# KiCad board color_carrier.kicad_pcb
title: Color Carrier; date: 2022-05-29; rev: 0.0; company: Palace Games
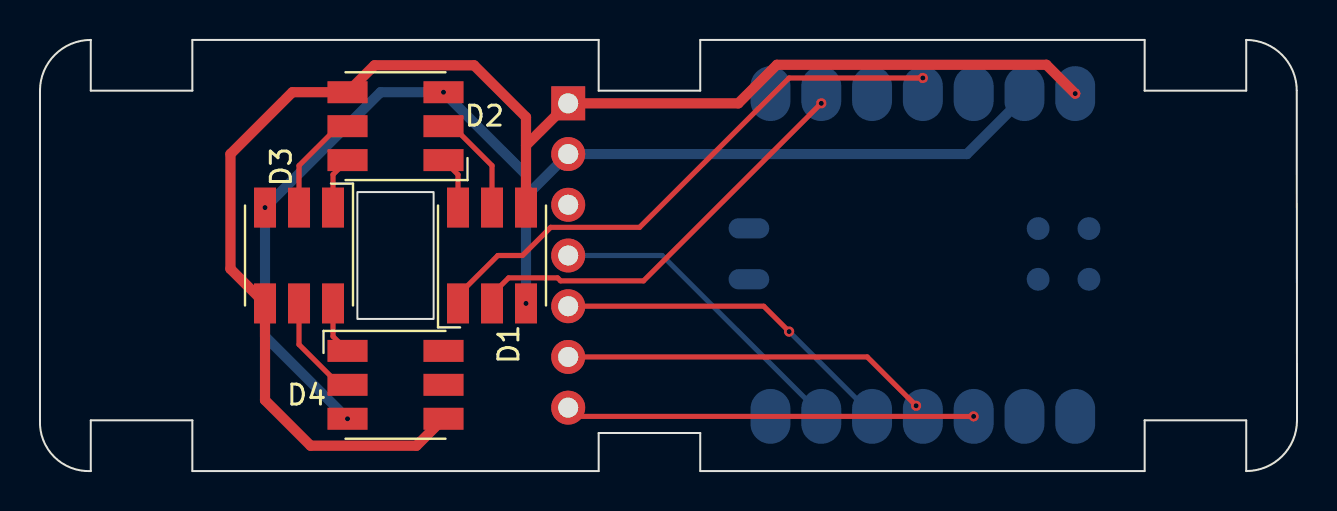
[diagram p0: board, top side]
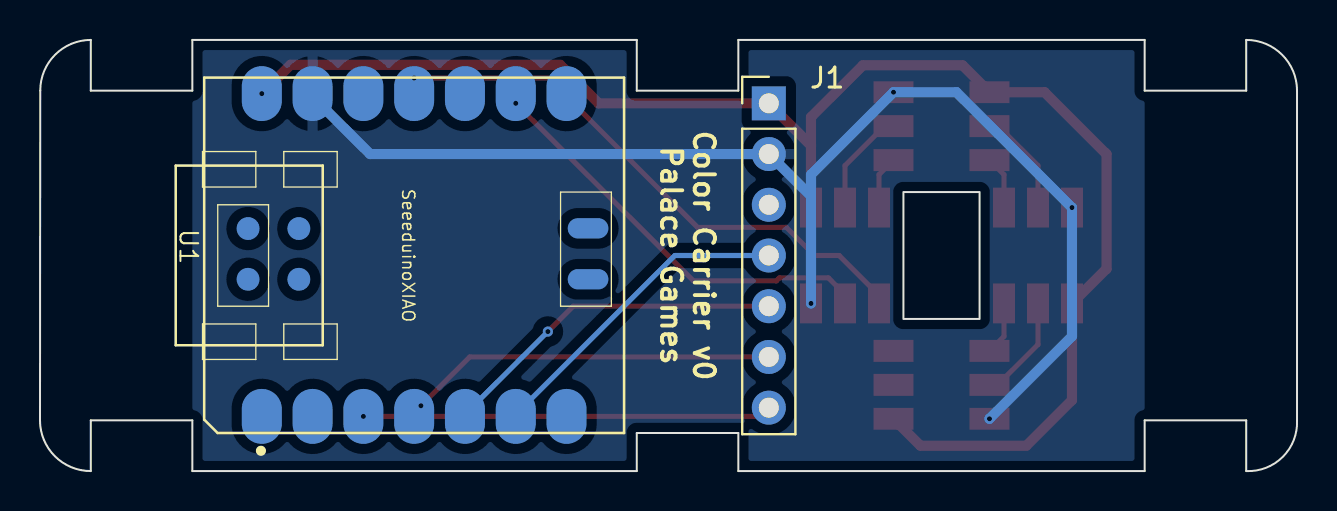
[diagram p1: board, bottom side, seen from below]

Outline 62.87 x 21.59 mm; copper layers: Top, Bottom. Coordinates in mm from the lower left corner of the outline.
Outline path: rectangle 15.87,13.97 19.68,7.62 ; 60.32,21.59 60.32,19.05 55.24,19.05 55.24,21.59 33.02,21.59 33.02,19.05 27.94,19.05 27.94,21.59 7.62,21.59 7.62,19.05 2.54,19.05 2.54,21.59 arc(0.74,20.85) 0,19.05 0,2.54 arc(0.71,0.71) 2.54,0 2.54,2.54 7.62,2.54 7.62,0 27.94,0 27.94,1.91 33.02,1.91 33.02,0 55.24,0 55.24,2.54 60.32,2.54 60.32,0 arc(62.12,0.74) 62.87,2.54 62.85,19.05 arc(62.11,20.84) 60.32,21.59
Stack: Top 0.035mm / dielectric 1.51mm FR4 er 4.5 / Bottom 0.035mm

## Placement (name value [footprint] x y rotation side)
D1  APA102  [LED_RGB_5050-6]  22.61 10.8 90 top
D2  APA102  [LED_RGB_5050-6]  17.78 17.27 180 top
D3  APA102  [LED_RGB_5050-6]  12.95 10.8 270 top
D4  APA102  [LED_RGB_5050-6]  17.78 4.32 0 top
J1  TCS34275  [PinHeader_1x07_P2.54mm_Vertical]  26.42 18.41 180 bottom
U1  SeeeduinoXIAO  [Seeeduino XIAO-MOUDLE14P-2.54-21X17.8MM]  33.65 1.91 90 bottom

## Footprints (pads in the part's own frame, mm; a bottom-side part is the same pattern mirrored in y, then rotated)
LED_RGB_5050-6
  rect 2x1.1 smd: 1(-2.4,1.7) 2(-2.4,0) 3(-2.4,-1.7) 4(2.4,-1.7) 5(2.4,0) 6(2.4,1.7)
PinHeader_1x07_P2.54mm_Vertical
  rect 1.7x1.7 hole 1: 1(0,0)
  oval 1.7x1.7 hole 1: 2(0,-2.54) 3(0,-5.08) 4(0,-7.62) 5(0,-10.16) 6(0,-12.7) 7(0,-15.24)
Seeeduino XIAO-MOUDLE14P-2.54-21X17.8MM
  oval 2.748x1.999 smd: 1(0.833,18.118) 2(0.833,15.578) 3(0.833,13.038) 4(0.833,10.498) 5(0.833,7.958) 6(0.833,5.418) 7(0.833,2.878) 8(16.998,2.878) 9(16.998,5.418) 10(16.998,7.958) 11(16.998,10.498) 12(16.998,13.038) 13(16.998,15.578) 14(16.998,18.118)
  oval 1.016x2.032 smd: 15(7.7,1.8) 16(10.25,1.8)
  round 1.143 smd: 17(7.699,18.804) 18(10.239,18.804) 19(7.699,16.264) 20(10.239,16.264)

## Nets
+5V: D1.4 D2.4 D3.4 D4.4 J1.1 U1.14
GND: D1.3 D2.3 D3.3 D4.3 J1.2 U1.13
Net-(D1-Pad5): D1.5 D2.2
Net-(D1-Pad6): D1.6 D2.1
Net-(D2-Pad5): D2.5 D3.2
Net-(D2-Pad6): D2.6 D3.1
Net-(D3-Pad5): D3.5 D4.2
Net-(D3-Pad6): D3.6 D4.1
Net-(U1-Pad3): J1.7 U1.3
Net-(U1-Pad4): J1.6 U1.4
Net-(U1-Pad5): J1.5 U1.5
Net-(U1-Pad6): J1.4 U1.6
Net-(U1-Pad9): D1.2 U1.9
Net-(U1-Pad11): D1.1 U1.11

Pads without a net: D4 5 6; J1 3; U1 1 2 7 8 10 12 15 16 17 18 19 20

## Via types
v1: diameter 0.508, hole 0.254, Top to Bottom, 10 vias

## Routing (per net, layer and track width the routed paths; a pad name or vN(x,y) marks a point on that pad's centre or on a via; arc(x,y) is an arc through that point)
+5V: length 75.4
  Top w0.508: 24.31,16.3 J1.1 34.93,18.41 36.85,20.34 50.33,20.34 v1(51.77,18.9) ; 24.31,16.3 24.31,17.72 21.71,20.32 16.73,20.32 D2.4 12.62,18.97 9.52,15.88 9.52,10.12 D3.4 11.25,3.55 13.53,1.27 18.83,1.27 D4.4 ; 24.31,16.3 D1.4
GND: length 63
  Bottom w0.508: v1(15.38,2.62) 11.25,6.74 v1(11.25,13.19) 17.03,18.97 v1(20.18,18.97) 24.31,14.85 24.31,13.77 ; 24.31,13.77 v1(24.31,8.39) ; 24.31,13.77 J1.2 46.35,15.88 49.23,18.75 U1.13
Net-(D1-Pad5): length 5.3
  Top w0.254: D2.2 20.63,17.27 22.61,15.3 D1.5
Net-(D1-Pad6): length 2.7
  Top w0.254: D2.1 20.91,14.85 D1.6
Net-(D2-Pad5): length 5.3
  Top w0.254: D2.5 14.93,17.27 12.95,15.3 D3.2
Net-(D2-Pad6): length 2.7
  Top w0.254: D2.6 14.65,14.85 D3.1
Net-(D3-Pad5): length 5.3
  Top w0.254: D3.5 12.95,6.34 14.97,4.32 D4.2
Net-(D3-Pad6): length 2.7
  Top w0.254: D3.6 14.65,6.74 D4.1
Net-(U1-Pad3): length 20.5
  Top w0.254: v1(46.69,2.74) 26.85,2.74 J1.7
Net-(U1-Pad4): length 18.4
  Top w0.254: 27.05,5.72 41.37,5.72 v1(43.81,3.27)
  Bottom w0.254: U1.4 44.15,2.84 43.81,3.17 v1(43.81,3.27)
Net-(U1-Pad5): length 17.5
  Top w0.254: J1.5 36.2,8.25 v1(37.46,6.98)
  Bottom w0.254: U1.5 41.61,2.84 v1(37.46,6.98)
Net-(U1-Pad6): length 16.1
  Bottom w0.254: U1.6 39.07,2.84 31.12,10.8 J1.4
Net-(U1-Pad9): length 21.3
  Top w0.254: v1(39.07,18.41) 30.18,9.52 26.04,9.52 25.89,9.67 23.43,9.67 22.61,8.84 D1.2
  Bottom w0.254: 39.07,18.75 v1(39.07,18.41)
Net-(U1-Pad11): length 29.1
  Top w0.254: D1.1 20.91,8.8 22.9,10.8 24.13,10.8 25.54,12.21 29.99,12.21 37.46,19.69 v1(44.15,19.69)
  Bottom w0.254: 44.15,18.75 v1(44.15,19.69)

## Copper pours and planes (outline as drawn; the poured copper is in the pictures)
GND on Bottom: 27.94,19.05 33.02,19.05 33.02,21.59 55.24,21.59 55.24,0 33.02,0 33.02,1.91 27.94,1.91 27.94,0 7.62,0 7.62,21.59 27.94,21.59

## Text on the board
B.Silks: Color Carrier v0 / Palace Games
